# Altium PCB PD300.PCBDOC
Units mm, origin at the board's own origin, x right, y up, seen from the top; angles counter-clockwise.
Board outline 30.2 x 64.4 mm, 2 copper layers (Top Layer, Bottom Layer); 82 components, 77 nets, 257 pads, 75 vias.
Unrouted connection lines stored in the file: 3.
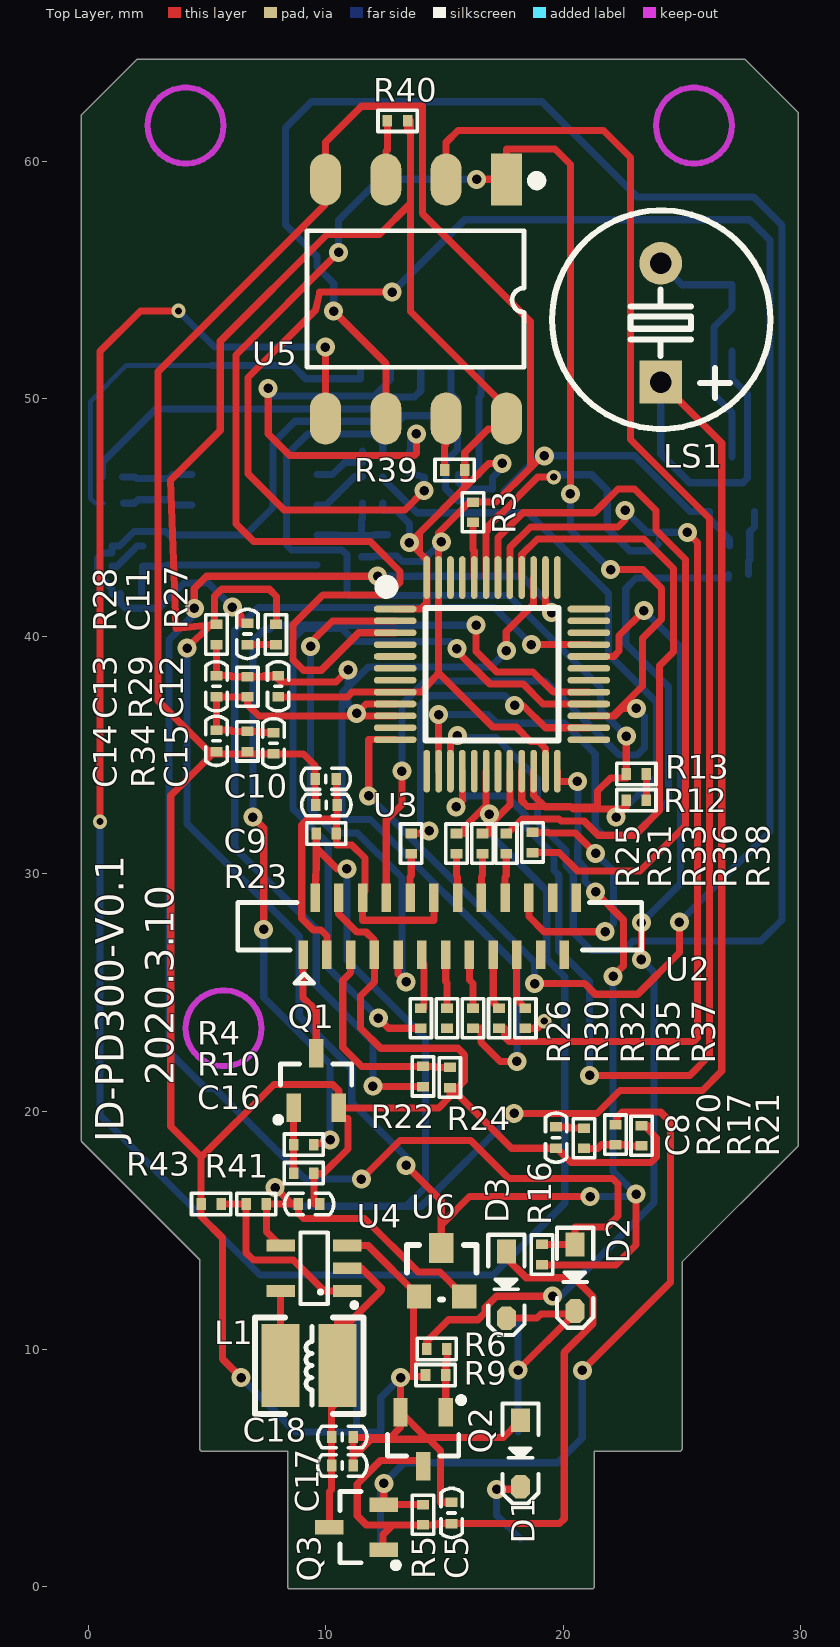
[diagram p0: Top Layer view]
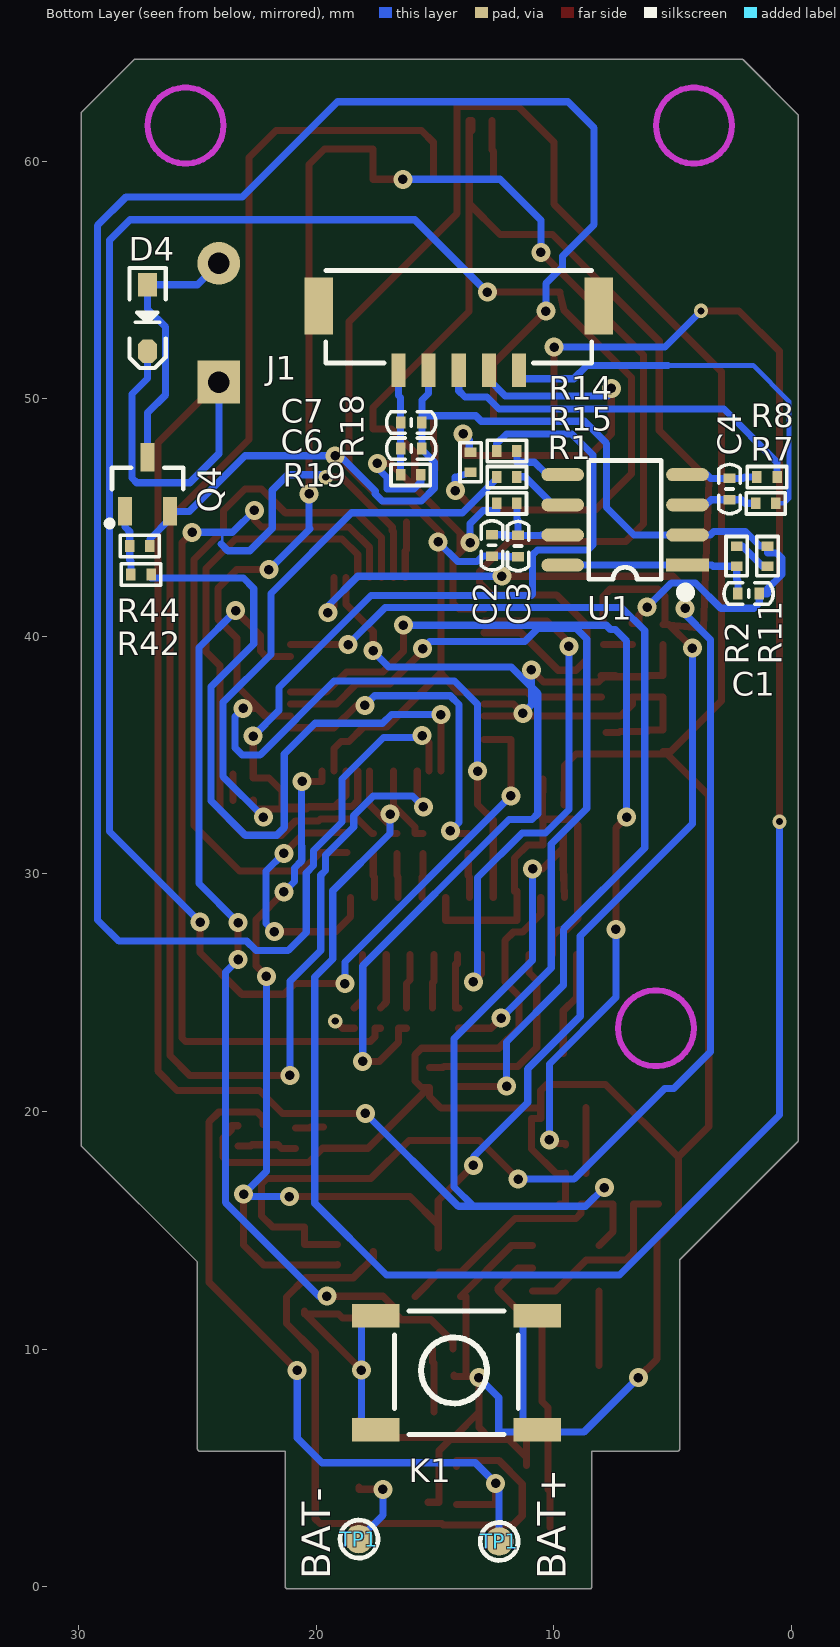
[diagram p1: Bottom Layer view, seen from below]
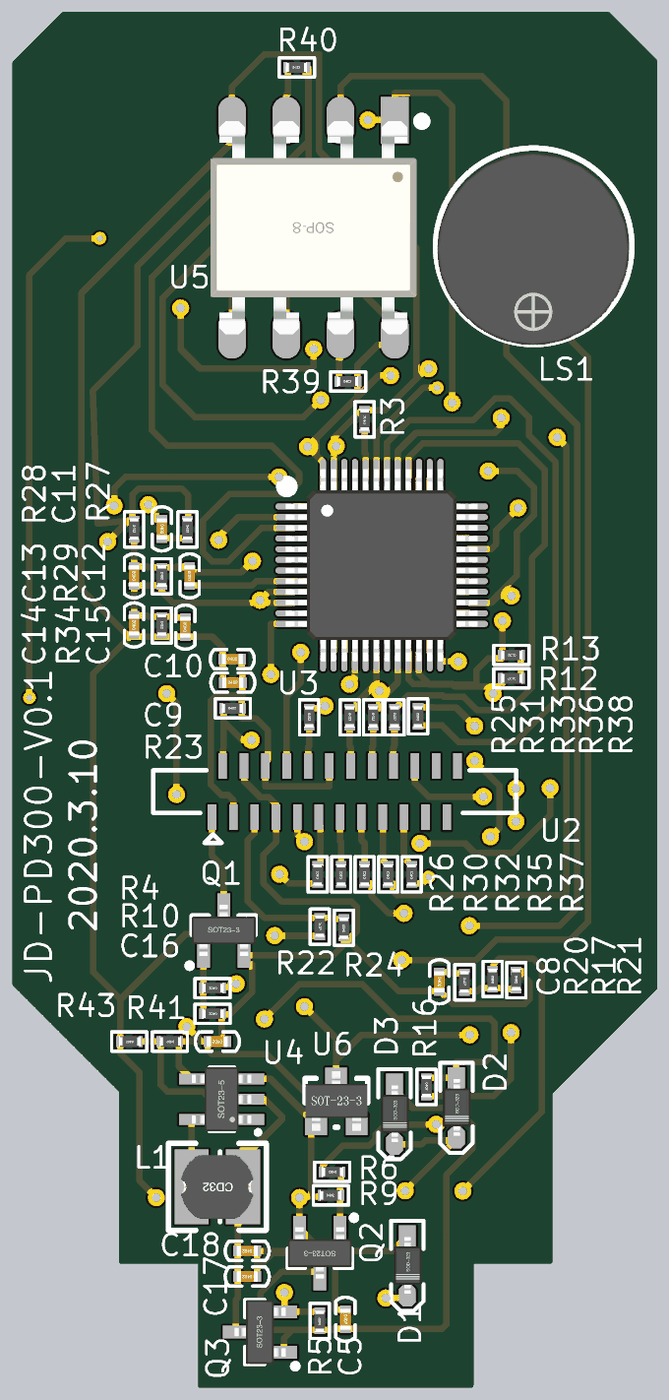
[diagram p2: 3D render of the assembled board from above, using the file's embedded part models]
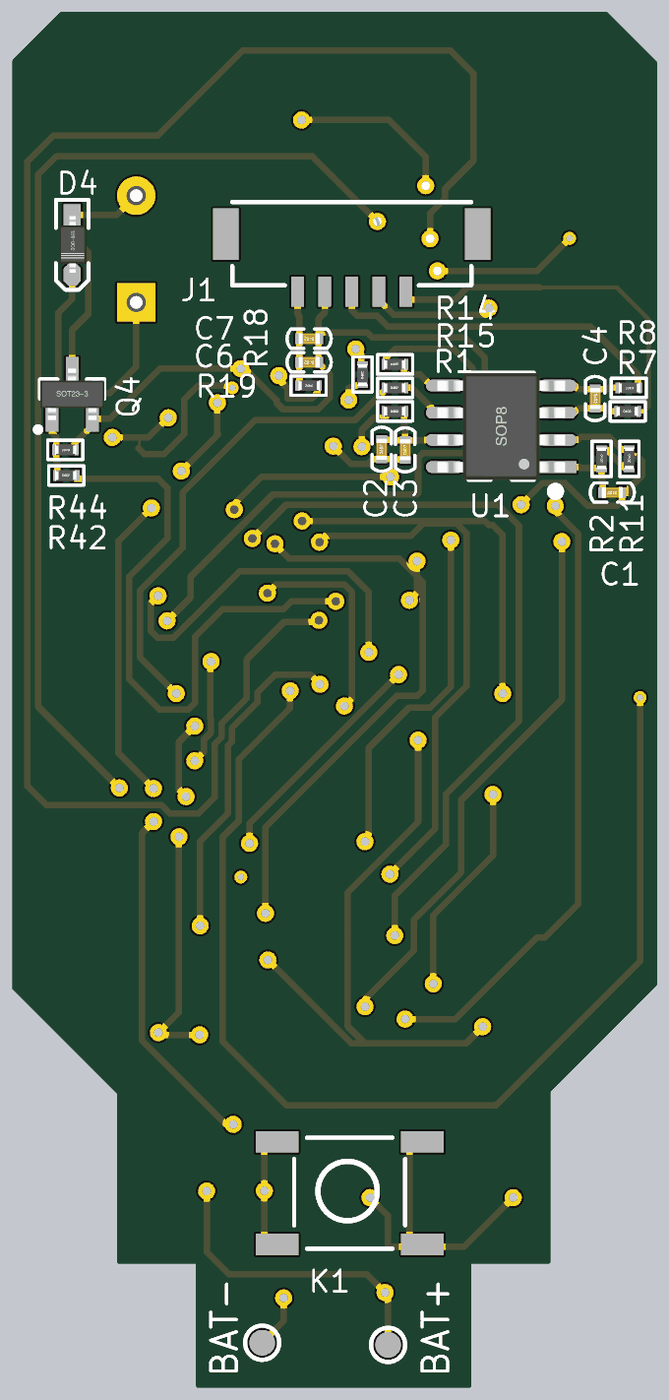
[diagram p3: 3D render of the assembled board from below, using the file's embedded part models]

## Layer stack, top to bottom
Top Solder: solder mask 0.0102, Solder Resist, Dk 3.5
Top Layer: signal copper 0.0356
Dielectric1: dielectric 0.32, FR-4, Dk 4.8
Bottom Layer: signal copper 0.0356
Bottom Solder: solder mask 0.0102, Solder Resist, Dk 3.5

## Board outline
4.7,5.8 ccw(c4.8,5.8) 4.8,5.7 8.4,5.7 8.4,0 ccw(c8.5,0) 8.5,-0.1 21.1,-0.1 ccw(c21.1,0) 21.15,-0.087 ccw(c21.2,0) 21.3,0 21.3,5.7 24.9,5.7 ccw(c24.9,5.8) 25,5.8 25,13.658 29.871,18.529 ccw(c29.8,18.6) 29.9,18.6 29.9,62 ccw(c29.8,62) 29.871,62.071 27.671,64.271 ccw(c27.6,64.2) 27.6,64.3 2.1,64.3 ccw(c2.1,64.2) 2.029,64.271 -0.271,61.971 ccw(c-0.2,61.9) -0.3,61.9 -0.3,18.8 ccw(c-0.2,18.8) -0.271,18.729 4.7,13.758

## Design rules (kind name [scope] priority, off if disabled: settings)
Clearance Polygon [InPolygon] p1: gap=0.5
Clearance [All] p2: gap=0.2
ComponentClearance [All] p1 off: gap=0.254 collisioncheckmode=3 verticalgap=0.254 showdistances=FALSE
FabricationTestPointUsage TestPointUsage [All] p1: valid=0 allowmultiple=FALSE
FabricationTestpoint Testpoint [(IsPad And (OnTopLayer Or OnBottomLayer))] p1: side=3 testpointundercomponent=TRUE minsize=1.016 maxsize=2.54 preferedsize=1.524 minholesize=0 maxholesize=1.016 preferedholesize=0.813 testpointgrid=0.025 allowsidetop=TRUE allowsidebottom=TRUE usegrid=TRUE gridtolerance=0
Height [All] p1 off: minheight=0 maxheight=25.4 prefheight=12.7
HoleSize [All] p1: absolutevalues=TRUE maxlimit=25.4 minlimit=0.025 maxpercent=80.000 minpercent=20.000
PolygonConnect Via [IsVia] p1: connectstyle=Direct reliefconductorwidth=0.254 reliefentries=4 polygonreliefangle="90 Angle" airgapwidth=0.254
PolygonConnect PolygonConnect_1 [All] p2: connectstyle=Relief reliefconductorwidth=0.254 reliefentries=4 polygonreliefangle="90 Angle" airgapwidth=0.254
RoutingVias [All] p1: holewidth=0.4 width=0.8 viastyle="Through Hole" minholewidth=0.4 minwidth=0.8 maxholewidth=0.8 maxwidth=1.27
SolderMaskExpansion [All] p1: expansion=0.102
UnpouredPolygon [All] p1: allowunpoured=FALSE
Width [All] p1: maxlimit=5.08 minlimit=0.2 preferedwidth=0.3 minimp=50.000000 maximp=50.000000 favimp=50.000000
24 further rules are at their usual default settings.

## Components (designator, comment, footprint, x,y, rotation, side; value= is the part's Value field where it differs from the comment)
C1 "105" "C 0603_L" 1.8,41.8 r0 bottom
C2 "104" "C 0603_L" 12.603,43.826 r90 bottom
C3 "4.7uF" "C 0603_L" 11.5,43.8 r90 bottom
C4 "105" "C 0603_L" 2.6,46.2 r270 bottom
C5 "4.7uF" "C 0603_L" 15.3,3.1 r270 top
C6 "104" "C 0603_L" 16,47.9 r0 bottom
C7 "4.7uF" "C 0603_L" 16,49 r0 bottom
C8 "104" "C 0603_L" 19.7,18.9 r270 top
C9 "104" "C 0603_L" 10.025,32.903 r0 top
C10 "105" "C 0603_L" 10,34 r0 top
C11 "104" "C 0603_L" 6.7,40.1 r270 top
C12 "104" "C 0603_L" 8,37.9 r90 top
C13 "104" "C 0603_L" 5.4,37.9 r90 top
C14 "4.7uF" "C 0603_L" 5.4,35.6 r90 top
C15 "104" "C 0603_L" 7.8,35.5 r90 top
C16 "4.7uF" "C 0603_L" 9.3,16.1 r180 top
C17 "4.7uF" "C 0603_L" 10.7,5.1 r180 top
C18 "104" "C 0603_L" 10.7,6.3 r180 top
D1 "1N4148" SOD-323 18.2,5.6 r270 top
D2 "1N4148" SOD-323 20.5,13 r270 top
D3 "1N4148" SOD-323 17.6,12.7 r270 top
D4 "1N4148" SOD-323 27.1,53.4 r270 bottom
J1 "Header1.27-5p" Header1.27SMD-5P 14,51.2 r180 bottom
K1 "KeySmd5.2*5.2" KeySmd5.2*5.2 14.1,9 r180 bottom
L1 "1.5uH" CD32 9.3,9.3 r180 top
LS1 "DC3.3V" "BEEP 5x9x5.5" 24.1,53.2 r0 top
Q1 "SI2302" SOT23-3N 9.6,21.3 r0 top
Q2 "SS8050" SOT23-3N 14.1,6.2 r180 top
Q3 "SI2301" SOT23-3N 11.3,2.5 r90 top
Q4 "SS8050" SOT23-3N 27.1,46.4 r180 bottom
R1 "10R" "R 0603_L" 12,45.6 r180 bottom
R2 "130K" "R 0603_L" 2.3,43.4 r270 bottom
R3 "10K" "R 0603_L" 16.2,45.2 r90 top
R4 "10K" "R 0603_L" 9.1,18.6 r180 top
R5 "100K" "R 0603_L" 14.1,3 r90 top
R6 "10K" "R 0603_L" 14.7,10 r180 top
R7 "1R" "R 0603_L" 1.1,45.6 r180 bottom
R8 "1R" "R 0603_L" 1,46.7 r0 bottom
R9 "100K" "R 0603_L" 14.6,8.9 r0 top
R10 "100K" "R 0603_L" 9.1,17.4 r180 top
R11 "Bead" "R 0603_L" 1,43.4 r270 bottom
R12 "2K" "R 0603_L" 23.1,33.1 r180 top
R13 "2K" "R 0603_L" 23.1,34.2 r180 top
R14 "100R" "R 0603_L" 12,47.8 r180 bottom
R15 "100R" "R 0603_L" 12,46.7 r180 bottom
R16 "100K" "R 0603_L" 19.1,14 r270 top
R17 "200K" "R 0603_L" 22.2,19 r90 top
R18 "100R" "R 0603_L" 13.5,47.3 r90 bottom
R19 "10R" "R 0603_L" 16,46.8 r0 bottom
R20 "10K" "R 0603_L" 20.874,18.897 r270 top
R21 "100K" "R 0603_L" 23.3,19 r270 top
R22 "10K" "R 0603_L" 14.1,21.5 r270 top
R23 "3.9R" "R 0603_L" 10,31.7 r0 top
R24 "10K" "R 0603_L" 15.225,21.403 r90 top
R25 "22R" "R 0603_L" 13.6,31.3 r270 top
R26 "22R" "R 0603_L" 14,23.9 r90 top
R27 "10K" "R 0603_L" 7.9,40.1 r270 top
R28 "10R" "R 0603_L" 5.4,40.1 r270 top
R29 "54.7K" "R 0603_L" 6.7,37.9 r270 top
R30 "22R" "R 0603_L" 15.1,23.9 r90 top
R31 "22R" "R 0603_L" 15.5,31.3 r270 top
R32 "22R" "R 0603_L" 16.2,23.9 r90 top
R33 "22R" "R 0603_L" 16.6,31.3 r270 top
R34 "54.7K" "R 0603_L" 6.7,35.6 r270 top
R35 "22R" "R 0603_L" 17.3,23.9 r90 top
R36 "22R" "R 0603_L" 17.6,31.3 r270 top
R37 "22R" "R 0603_L" 18.4,23.9 r90 top
R38 "22R" "R 0603_L" 18.7,31.3 r90 top
R39 "10K" "R 0603_L" 15.4,47 r0 top
R40 "10K" "R 0603_L" 13,61.7 r0 top
R41 "20K" "R 0603_L" 7.1,16.1 r180 top
R42 "4.7K" "R 0603_L" 27.4,42.6 r180 bottom
R43 "10K" "R 0603_L" 5.2,16.1 r180 top
R44 "10K" "R 0603_L" 27.4,43.8 r0 bottom
TP1 "TP1" TP1 18.2,2 r0 bottom
TP1 "TP1" TP1 12.3,1.9 r0 bottom
U1 "CS1237" SOP8_N 7,44.9 r0 bottom
U2 "SSD1331 OLED" FPC1mmSMD-24P 14.8,27.8 r0 top
U3 "STM32F030C8T6" LQFP48-7*7 17,38.4 r270 top
U4 "SY7069" SOT23-5N 9.5,13.4 r90 top
U5 "W25Q16" SOP8-W2.54_N 13.8,54.2 r270 top
U6 "XC6206" SOT-23 13.8,12.2 r0 top

## Footprints (in the part's own frame and the unit in brackets; to place one, negate y for a bottom-side part, rotate by r counter-clockwise, add the part's x,y. Pads: shape width x height; smd on the part's side, far side on the other; paste and mask are expansions set on the pad)
"BEEP 5x9x5.5" [mm] "5*9*5.5mm(脚距,直径,高度)"
  rect 1.8x1.8 hole 0.9: 1(0,-2.5)
  round 1.8 hole 0.9: 2(0,2.5)
  silkscreen extent -4.58,-4.47 4.62,4.72, body extent -4.5,-4.5 4.5,4.5, height 5.45
"C 0603_L" [mm] "无极性贴片电容"
  rect 0.4x0.5 smd: 1(-0.45,0) 2(0.45,0)
  silkscreen extent -1.04,-0.45 1.04,0.45, body extent -0.5,-0.26 0.5,0.26, height 0.53
CD32 [mm] "3.5*3*2mm（长宽高）"
  rect 1.6x3.5 smd: 1(-1.2,0) 2(1.2,0)
  silkscreen extent -2.29,-2.03 2.29,2.03, body extent -1.71,-1.5 1.71,1.5, height 2.15
FPC1mmSMD-24P [mm]
  rect 0.4x1.2 smd: 1(-5.75,-1.2) 2(-5.25,1.2) 3(-4.75,-1.2) 4(-4.25,1.2) 5(-3.75,-1.2) 6(-3.25,1.2) 7(-2.75,-1.2) 8(-2.25,1.2) 9(-1.75,-1.2) 10(-1.25,1.2) 11(-0.75,-1.2) 12(-0.25,1.2) 13(0.25,-1.2) 14(0.75,1.2) 15(1.25,-1.2) 16(1.75,1.2) 17(2.25,-1.2) 18(2.75,1.2) 19(3.25,-1.2) 20(3.75,1.2) 21(4.25,-1.2) 22(4.75,1.2) 23(5.25,-1.2) 24(5.75,1.2)
  silkscreen extent -8.5,-2.4 8.5,1
Header1.27SMD-5P [mm]
  rect 0.6x1.4 smd: 1(-2.54,0) 2(-1.27,0) 3(0,0) 4(1.27,0) 5(2.54,0)
  rect 1.2x2.4 smd: 6(-5.9,2.7) 7(5.9,2.7)
  silkscreen extent -5.6,0.3 5.6,4.2
KeySmd5.2*5.2 [mm]
  rect 2x1 smd: 1(-3.4,2.4) 2(3.4,2.4) 3(3.4,-2.4) 4(-3.4,-2.4)
  silkscreen extent -2.6,-2.6 2.6,2.6
LQFP48-7*7 [mm] "7x7mm，0.5mm        淘宝ID:黄晶宝石"
  oval 0.279x1.8 smd: 1(-2.75,-4.075) 2(-2.25,-4.075) 3(-1.75,-4.075) 4(-1.25,-4.075) 5(-0.75,-4.075) 6(-0.25,-4.075) 7(0.25,-4.075) 8(0.75,-4.075) 9(1.25,-4.075) 10(1.75,-4.075) 11(2.25,-4.075) 12(2.75,-4.075) 25(2.75,4.075) 26(2.25,4.075) 27(1.75,4.075) 28(1.25,4.075) 29(0.75,4.075) 30(0.25,4.075) 31(-0.25,4.075) 32(-0.75,4.075) 33(-1.25,4.075) 34(-1.75,4.075) 35(-2.25,4.075) 36(-2.75,4.075)
  oval 1.8x0.279 smd: 13(4.075,-2.75) 14(4.075,-2.25) 15(4.075,-1.75) 16(4.075,-1.25) 17(4.075,-0.75) 18(4.075,-0.25) 19(4.075,0.25) 20(4.075,0.75) 21(4.075,1.25) 22(4.075,1.75) 23(4.075,2.25) 24(4.075,2.75) 37(-4.075,2.75) 38(-4.075,2.25) 39(-4.075,1.75) 40(-4.075,1.25) 41(-4.075,0.75) 42(-4.075,0.25) 43(-4.075,-0.25) 44(-4.075,-0.75) 45(-4.075,-1.25) 46(-4.075,-1.75) 47(-4.075,-2.25) 48(-4.075,-2.75)
  silkscreen extent -3.93,-4.69 2.79,2.79, body extent -4.5,-4.5 4.5,4.5, height 1.45
"R 0603_L" [mm] "1/10W贴片电阻"
  rect 0.4x0.5 smd: 1(-0.4,0) 2(0.45,0)
  silkscreen extent -0.8,-0.45 0.85,0.45, body extent -0.5,-0.25 0.5,0.25, height 0.3
SOD-323 [mm] "1.8x1.3X0.9mm（长宽高，不包括引脚）"
  rect 1x0.8 smd: 1(-1.4,0)
  oct 1x0.8 smd: 2(1.4,0)
  silkscreen extent -2.11,-0.76 2.11,0.76, body extent -1.34,-0.63 1.31,0.67, height 1
SOP8-W2.54_N [mm] "6.5*9.66*3.5mm（长宽高）  淘宝ID:黄晶宝石"
  rect 2.2x1.3 smd: 1(-5.029,3.81)
  oval 2.2x1.3 smd: 2(-5.029,1.27) 3(-5.029,-1.27) 4(-5.029,-3.81) 5(5.029,-3.81) 6(5.029,-1.27) 7(5.029,1.27) 8(5.029,3.81)
  silkscreen extent -5.13,-4.59 2.87,5.23, body extent -5,-4.83 5,4.83, height 3.82
SOP8_N [mm] "5*6*1.8mm（长宽高）"
  rect 1.8x0.55 smd: 1(-2.625,1.905)
  oval 1.8x0.55 smd: 2(-2.625,0.635) 3(-2.625,-0.635) 4(-2.625,-1.905) 5(2.625,-1.905) 6(2.625,-0.635) 7(2.625,0.635) 8(2.625,1.905)
  silkscreen extent -2.69,-2.5 1.52,3.2, body extent -3,-2.5 3,2.5, height 1.9
SOT23-3N [mm] "3x1.3x1mm(长宽高)     淘宝ID:黄晶宝石"
  rect 0.6x1.2 smd: 1(-0.95,-1.143) 2(0.95,-1.143) 3(0,1.143)
  silkscreen extent -1.72,-1.78 1.5,0.7, body extent -1.5,-1.2 1.5,1.2, height 1.05
SOT23-5N [mm] "3x1.6x1.1mm(长宽高)"
  rect 0.5x1.2 smd: 1(-0.95,-1.4) 2(0,-1.4) 3(0.95,-1.4) 4(0.95,1.4) 5(-0.95,1.4)
  silkscreen extent -1.63,-1.78 1.5,0.56, body extent -1.5,-1.4 1.5,1.4, height 1.15
SOT-23 [mil] "淘宝ID:黄晶宝石"
  rect 40x40 smd: 1(4.88,0.63) 2(79.88,0.63)
  rect 40x50 smd: 3(41.88,80.63)
  silkscreen extent -15,-4 100,86, body extent -15,-11 99,99, height 47
TP1 [mm]
  round 1.2 smd: 1(0,0)
  silkscreen extent -0.8,-0.8 0.8,0.8

## Part data
C1 C2 C3 C4 C5 C6 C7 C8 C9 C10 C11 C12 C13 C14 C15 C16 C17 C18: library part C0603, "无极性贴片电容"
D1 D2 D3 D4: "高速开关二极管"
L1: library part L, "小功率贴片电感"
LS1: library part BEEP, "蜂鸣器"
Q1: "N沟道场效应管"
Q2 Q4: library part 8050-SMD, "高频放大-NPN型"
Q3: "P沟道场效应管"
R1 R2 R3 R4 R5 R6 R7 R8 R9 R10 R11 R12 R13 R14 R15 R16 R17 R18 R19 R20 R21 R22 R23 R24 R25 R26 R27 R28 R29 R30 R31 R32 R33 R34 R35 R36 R37 R38 R39 R40 R41 R42 R43 R44: library part R0603, "贴片电阻"
U2: library part SSD1331

## Via types
v1: diameter 0.8, hole 0.4, Top Layer to Bottom Layer, 71 vias
v2: diameter 0.6, hole 0.3, Top Layer to Bottom Layer, 4 vias

## Nets (pads, with @x,y where several pads share a name; then routed paths per layer and width w, separated by ;. In a path a pad name is that pad's centre, name@x,y a point inside that pad or via, vN(x,y) a via of type N, cw(c..) or ccw(c..) an arc to the next point about the centre after c; other vN are vias at no path point)
BAT+: Q3.2 R5.2 R17.2 TP1.1@12.3,1.9 | length 32
  Top Layer w0.3: v1(12.444,4.349) Q3.2 13.256,3.45 R5.2 ; v1(20.8,9.099) 24.509,12.807 24.509,19.564 24.102,19.97 22.477,19.97 22.248,19.742 22.248,19.45 R17.2
  Bottom Layer w0.3: TP1.1@12.3,1.9 12.3,4.349 v1(12.444,4.349) 13.307,5.213 19.759,5.213 20.8,6.254 v1(20.8,9.099)
BAT+1: C17.2 C18.2 L1.1 Q3.3 U4.2 | length 13
  Top Layer w0.3: Q3.3 10.157,4 10.25,4.093 C17.2 C18.2 10.25,7.54 10.5,7.79 L1.1 10.5,11.131 10.996,11.131 12.342,12.477 12.342,12.562 11.504,13.4 U4.2
BAT-: D1.2 TP1.1@18.2,2 | length 3.6
  Top Layer w0.3: v1(17.193,4.095) 18.2,4.095 D1.2
  Bottom Layer w0.3: v1(17.193,4.095) 17.193,3.007 TP1.1@18.2,2
BAT_DET: C8.1 R20.1 | length 1.2
  Top Layer w0.3: C8.1 20.241,19.35 20.294,19.297 R20.1
BOOT0: R3.1 U3.44 | length 2.3
  Top Layer w0.3: R3.1 16.2,43.642 16.25,43.592 U3.44
BUZZER: R42.2 U3.14 | length 30.9
  Top Layer w0.3: U3.14 v1(14.75,36.708)
  Bottom Layer w0.3: v1(14.75,36.708) 16.837,36.708 17.205,36.34 20.053,36.34 21.347,35.046 21.347,31.946 21.664,31.629 22.985,31.629 24.432,33.077 24.432,37.877 22.629,39.681 22.629,42.017 23.061,42.449 26.95,42.449 R42.2
CS: U2.8 U3.3 U3.27 U5.1 | length 97.5
  Top Layer w0.3: v1(10.539,56.165) 6.221,51.847 6.221,44.735 6.957,43.999 11.859,43.999 13.129,42.729 13.129,42.271 12.596,41.738 9.878,41.738 8.615,40.475 8.615,39.024 9.065,38.574 9.813,38.574 11.389,40.15 U3.3 ; U2.8 12.55,32.269 13.206,32.924 v1(13.206,34.321) ; v1(16.355,59.239) U5.1@17.61,59.239 ; U5.1 U5.1@17.61,59.239 ; v1(20.3,46) 20.3,59.866 19.657,60.509 17.61,60.509 U5.1@17.61,59.239 ; U3.27 22.07,36.65 ; v1(21.989,42.805) 23.354,42.805 24.141,42.017 24.141,40.734 23.328,39.921 23.328,37.908 22.07,36.65 ; v1(23.078,36.963) 22.485,36.963 22.172,36.65 22.07,36.65
  Bottom Layer w0.3: v1(10.539,56.165) 10.539,57.511 12.266,59.239 v1(16.355,59.239) ; v1(13.206,34.321) 13.206,37.141 14.183,38.118 19.248,38.118 22.359,35.007 23.112,35.007 23.416,35.312 23.416,36.625 v1(23.078,36.963) ; v1(20.3,46) 20.3,44.56 20.267,44.527 v1(21.989,42.805)
D0: R30.1 U3.19
D1: R31.1 U3.18 | length 3.3
  Top Layer w0.3: R31.1 15.847,31.7 15.847,31.971 16.75,32.873 U3.18
D2: R32.1 U3.39 | length 33.1
  Top Layer w0.3: R32.1 16.533,23.5 16.533,22.917 17.346,22.104 v1(18.044,22.104) ; v1(17.6,39.4) 17.6,40.202 18.75,41.352 U3.39
  Bottom Layer w0.3: v1(17.6,39.4) 17.6,39.364 16.947,38.711 11.788,38.711 10.678,37.601 10.678,32.533 10.92,32.29 11.884,32.29 18.044,26.13 v1(18.044,22.104)
D3: R33.1 U3.20 | length 3.3
  Top Layer w0.3: R33.1 16.889,31.7 16.889,32.041 17.75,32.902 U3.20
D4: R35.1 U3.41 | length 40.3
  Top Layer w0.3: R35.1 17.531,23.5 17.531,23.145 17.727,22.95 25.507,22.95 25.652,23.094 25.652,43.948 v1(25.22,44.38) ; U3.41 17.75,43.734 18.616,44.6 22.3,44.6 22.6,44.9 v1(22.6,45.3)
  Bottom Layer w0.3: v1(22.6,45.3) 23.52,44.38 v1(25.22,44.38)
D5: R36.1 U3.40 | length 26
  Top Layer w0.3: R36.1 17.651,31.7 18.265,32.315 19.824,32.315 19.906,32.233 20.86,32.233 21.469,31.624 23.005,31.624 24.051,32.67 24.051,38.763 24.641,39.353 24.641,42.859 23.4,44.1 18.91,44.1 18.25,43.44 U3.40
D6: R37.1 U3.43 | length 13.6
  Top Layer w0.3: U3.43 16.75,44.405 16.8,44.455 16.8,44.6 17.35,45.15 17.375,45.15 18.925,46.7 v2(19.6,46.7) ; R37.1 18.9,23.5 v2(19.2,23.8)
  Bottom Layer w0.3: v2(19.6,46.7) 19.7,46.8 21.2,46.8 21.85,46.15 21.85,44.55 22.8,43.6 23.72,43.6 24,43.88
D7: R38.1 U3.42 | length 30.9
  Top Layer w0.3: U3.42 17.25,44.15 18.3,45.2 21.3,45.2 22.3,46.2 23,46.2 23.9,45.3 23.9,44.475 25.141,43.234 25.141,32.033 23.225,30.117 20.609,30.117 19.826,30.9 R38.1
DC: R25.1 U3.26 | length 14.1
  Top Layer w0.3: R25.1 14.242,31.7 v1(14.349,31.807) ; v1(17.955,37.09) 18.31,37.09 19.25,36.15 U3.26
  Bottom Layer w0.3: v1(14.349,31.807) 13.993,32.162 13.993,37.129 14.361,37.496 17.549,37.496 v1(17.955,37.09)
DI: U5.5 | length 87.4
  Top Layer w0.3: v2(0.5,32.2) 0.5,52 2.2,53.7 v2(3.8,53.7) v2@3.9,53.7 ; U5.5 v1(9.99,52.177)
  Bottom Layer w0.3: v2(0.5,32.2) 0.5,19.849 7.237,13.112 17.041,13.112 20.064,16.135 20.064,25.66 19.302,26.422 19.302,29.292 16.889,31.705 v1(16.889,32.518) ; v2(3.8,53.7) 5.323,52.177 v1(9.99,52.177)
DO: U3.16 U5.2 | length 71.7
  Top Layer w0.3: U5.2 15.07,60.798 15.568,61.296 21.689,61.296 22.832,60.153 22.832,48.291 26.16,44.964 26.16,22.358 25.321,21.52 v1(21.105,21.52) ; v1(15.492,32.823) 15.75,33.081 U3.16
  Bottom Layer w0.3: v1(15.492,32.823) 15.949,33.28 17.6,33.28 18.421,32.459 18.421,31.972 19.609,30.784 19.609,30.142 19.81,29.941 19.81,26.777 21.105,25.482 v1(21.105,21.52)
GND: C1.1 C2.1 C3.1 C5.1 C6.1 C7.1 C8.2 C9.1 C10.1 C11.1 C12.1 C14.1 C15.1 C16.1 C17.1 C18.1 D1.1 J1.2 K1.2 K1.3 Q1.2 Q2.2 Q4.2 R3.2 R9.1 R10.1 R11.1 R21.1 R24.1 R34.2 R43.2 R44.1 U1.2 U2.4 U2.7 U3.8 U3.23 U3.47 U4.3 U5.4 U6.1 | length 249.4
  Top Layer w0.3: C14.1 5.078,35.15 2.939,37.289 2.939,51.139 9.99,58.19 U5.4 9.99,60.798 11.504,62.312 14.07,62.312 14.07,57.79 18.616,53.244 18.616,47.097 ; v1(6.068,41.23) 6.424,40.874 6.424,40.55 C11.1 ; v1(6.441,8.794) 5.662,9.573 5.662,14.662 4.75,15.573 R43.2 4.75,18.068 4.761,18.079 ; C12.1 10.915,37.45 11.115,37.65 U3.8 14.04,37.65 14.75,38.47 ; R10.1 R10.1@9.5,17.379 ; C9.1 9.576,33.432 9.55,33.458 C10.1 9.55,34.565 9.065,35.05 C15.1 5.228,35.05 3.477,33.299 3.477,19.363 4.761,18.079 ; C16.1 9.5,16.1 R10.1@9.5,17.379 ; U2.4 10.55,28.307 11.311,27.546 11.707,27.546 12.05,27.203 U2.7 12.05,25.447 11.465,24.862 11.465,23.514 12.317,22.663 15.568,22.663 15.847,22.383 15.847,21.282 15.568,21.003 R24.1@15.263,21.003 ; U4.3 11.79,14.35 U6.1 13.688,12.216 13.688,8.845 ; C17.1 11.15,5.443 ; C18.1 C18.1@11.15,6.28 ; R9.1 14.2,8.845 13.688,8.845 ; v1(14.87,43.973) v1@14.75,43.853 ; R24.1 R24.1@15.238,21.003 ; C5.1 14.831,3.55 14.831,5.721 14.349,6.203 11.91,6.203 11.15,5.443 ; D1.1 17.48,6.28 14.213,6.28 Q2.2 ; v1(19.2,47.6) 19.118,47.6 18.616,47.097 ; U3.23 19.25,35.277 18.953,35.575 18.625,35.575 18.024,36.176 17.044,36.176 14.75,38.47 ; R21.1 23.559,19.4 23.559,19.246 23.924,18.881 23.924,18.085 23.696,17.856 20.327,17.856 19.733,18.45 C8.2 17.816,18.45 R24.1@15.263,21.003 ; 4.761,18.079 7.821,21.139 10.296,21.139 10.55,20.885 Q1.2 Q1.2@10.55,20.148 ; R10.1@9.5,17.379 9.89,17.379 10.933,18.423 10.933,19.707 10.55,19.707 Q1.2@10.55,20.148 ; Q1.2@10.55,20.148 14.755,20.148 15.238,20.631 R24.1@15.238,21.003 ; 11.15,5.443 C18.1@11.15,6.28 ; C18.1@11.15,6.28 12.723,6.28 13.15,6.707 Q2.2 ; Q2.2 v1(13.15,8.794) 13.201,8.845 13.688,8.845 ; 14.75,38.47 U3.47 v1@14.75,43.853 ; v1@14.75,43.853 14.75,44.349 16.051,45.65 R3.2 17.168,45.65 18.616,47.097 ; R24.1@15.238,21.003 R24.1@15.263,21.003
  Bottom Layer w0.3: C1.1 C1.1@1.35,41.789 ; v1(6.068,41.23) 5.052,42.246 4.036,42.246 2.969,41.179 1.579,41.179 1.35,41.408 C1.1@1.35,41.789 ; v1(6.441,8.794) 8.735,6.5 K1.3@11.301,6.5 ; K1.2@11.301,11.3 K1.3@11.301,6.5 ; C3.1 12.037,43.35 12.063,43.376 C2.1 12.993,43.376 13.225,43.143 14.04,43.143 v1(14.87,43.973) ; v1(13.15,8.794) 12.317,7.961 12.317,6.5 K1.3@11.301,6.5 ; J1.2 15.27,50.222 15.55,49.942 15.55,49.282 ; R44.1 27,44.1 26.15,44.95 Q4.2 25.343,45.257 23,47.6 v1(19.2,47.6) 19,47.6 17.516,46.116 17.516,45.993 17.223,45.7 15.568,45.7 15.034,46.233 15.034,47.344 15.55,47.859 C6.1 C7.1 15.55,49.282 ; C1.1@1.35,41.789 1,41.789 1,42.005 0.4,42.605 0.4,43.295 0.605,43.5 1,43.5 R11.1 1.318,43.8 1.928,44.41 3.269,44.41 3.414,44.265 U1.2 6.627,44.265 7.78,45.418 7.78,48.124 8.71,49.053 13.053,49.053 13.282,49.282 15.55,49.282
KEY1: U3.35
KEY2: U3.36
KEY3: R22.2 U3.33 | length 39.7
  Top Layer w0.3: v1(11.986,21.062) 11.999,21.05 R22.2 ; v1(18.66,39.65) U3.33
  Bottom Layer w0.3: v1(11.986,21.062) 11.986,22.923 9.599,25.311 9.599,27.666 6.17,31.095 6.17,40.239 7.148,41.218 17.092,41.218 v1(18.66,39.65)
MOS_CTL: R4.1 U3.29 | length 39.4
  Top Layer w0.3: v1(6.932,32.391) 7.389,31.934 v1(7.389,27.666) ; R4.1 9.5,18.649 10.031,18.649 v1(10.183,18.802) ; v1(16.33,40.468) 16.33,39.37 17.2,38.5 18.731,38.5 19.581,37.65 U3.29
  Bottom Layer w0.3: v1(6.932,32.391) 6.932,39.808 7.404,40.28 7.6,40.28 7.788,40.468 v1(16.33,40.468) ; v1(7.389,27.666) 7.389,24.796 10.183,22.002 v1(10.183,18.802)
NetC1_2: C1.2 R2.2 U1.1 U1.8 | length 8.5
  Bottom Layer w0.3: C1.2 2.25,42.348 2.3,42.398 R2.2 3.3,42.95 3.345,42.995 U1.1 U1.8
NetC2_2: C2.2 C3.2 R1.2 U1.7 | length 4.4
  Bottom Layer w0.3: U1.7 10.539,44.265 10.554,44.25 C3.2 ; R1.2 11.55,44.938 11.5,44.888 C3.2 ; C2.2 12.063,44.276 12.037,44.25 C3.2
NetC4_1: C4.1 R8.2 U1.4 | length 3
  Bottom Layer w0.3: R8.2 1.979,46.7 2.029,46.65 C4.1 3.401,46.65 3.556,46.805 U1.4
NetC4_2: C4.2 R7.1 U1.3 | length 3
  Bottom Layer w0.3: R7.1 1.953,45.6 2.103,45.75 C4.2 3.376,45.75 3.591,45.535 U1.3
NetC5_2: C5.2 D3.1 Q2.3 Q3.1 R5.1 | length 29.4
  Top Layer w0.3: Q3.1 12.418,1.55 12.418,2.19 12.828,2.6 ; Q2.3 14.1,5.314 12.317,5.314 11.326,4.324 11.326,2.981 11.707,2.6 12.828,2.6 ; D3.1 17.6,13.838 18.438,13 20.445,13 21.257,12.187 21.257,11.08 20.038,9.861 20.038,2.853 19.835,2.65 C5.2 14.703,2.65 14.653,2.6 R5.1 12.828,2.6
NetC6_2: C6.2 C7.2 J1.1 R19.2 | length 4.4
  Bottom Layer w0.3: R19.2 16.45,47.326 C6.2 C7.2 16.45,50.044 16.54,50.134 J1.1
NetC9_2: C9.2 C10.2 R23.2 U2.3 U2.6 U2.12 | length 18.6
  Top Layer w0.3: U2.3 10.05,27.387 9.796,27.641 9.472,27.641 8.989,28.124 8.989,32.061 9.23,32.301 10.475,32.301 ; C10.2 10.45,33.458 10.475,33.432 C9.2 10.475,32.301 ; U2.12 14.55,28.047 11.55,28.047 U2.6 11.55,29.267 11.656,29.267 11.656,30.664 11.097,31.222 10.45,31.222 R23.2 10.45,32.264 10.475,32.289 10.475,32.301
NetD2_2: D2.2 D3.2 K1.1 K1.4 | length 11.3
  Top Layer w0.3: D3.2 18.895,11.3 19.068,11.473 D2.2@20.461,11.473 ; v1(18.1,9.112) D2.2@20.461,11.473 ; D2.2 D2.2@20.5,11.512 ; D2.2@20.461,11.473 D2.2@20.5,11.512 ; D2.2@20.461,11.473 20.5,11.473 D2.2@20.5,11.512
  Bottom Layer w0.3: K1.4@18.1,6.5 18.1,8.896 v1(18.1,9.112) K1.1@18.1,11.3
NetD4_1: D4.1 LS1.2 Q4.3 | length 11.3
  Bottom Layer w0.3: LS1.2 25,54.8 D4.1 27.1,53.778 26.337,53.015 26.337,50.171 27.1,49.408 Q4.3
NetJ1_3: J1.3 R8.1 | length 16.1
  Bottom Layer w0.3: R8.1 0.6,47.326 2.842,49.568 12.302,49.568 12.811,50.076 13.739,50.076 14,50.337 J1.3
NetJ1_4: J1.4 R18.2 | length 16.5
  Top Layer w0.3: v1(7.579,50.438) 7.579,48.52 8.481,47.618 13.726,47.618 13.815,47.707 v1(13.815,48.52)
  Bottom Layer w0.3: v1(7.579,50.438) 7.491,50.349 7.719,50.12 12.044,50.12 12.73,50.806 J1.4 ; R18.2 13.561,47.75 13.561,48.266 v1(13.815,48.52)
NetJ1_5: J1.5 R7.2 | length 17.4
  Bottom Layer w0.2: R7.2 0.3,45.6 0.1,45.8 0.1,49.9 1.6,51.4 5.2,51.4
  Bottom Layer w0.3: 5.2,51.4 8.6,51.4 9.16,50.84 11.46,50.84 J1.5 J1.5@11.46,51.276
NetL1_2: L1.2 U4.5 | length 3.2
  Top Layer w0.3: L1.2 U4.5
NetQ1_1: Q1.1 R4.2 R10.2 | length 2.8
  Top Layer w0.3: R10.2 R4.2 8.65,19.361 Q1.1
NetQ1_3: Q1.3 U2.1 | length 4.4
  Top Layer w0.3: U2.1 9.05,24.787 9.6,24.237 Q1.3
NetQ2_1: Q2.1 R6.1 R9.2 | length 2.7
  Top Layer w0.3: Q2.1 15.05,8.108 R9.2 15.05,9.404 15.1,9.454 R6.1
NetQ4_1: Q4.1 R42.1 R44.2 | length 2.8
  Bottom Layer w0.3: R42.1 27.8,43.16 27.85,43.21 R44.2 27.85,44.405 28.05,44.605 Q4.1
NetR2_1: R2.1 R11.2 | length 1.7
  Bottom Layer w0.3: R11.2 1.217,42.95 2.067,43.8 R2.1
NetR14_2: R14.2 U1.5 | length 2.6
  Bottom Layer w0.3: U1.5 10.285,46.805 10.806,47.326 11.55,47.326 R14.2
NetR15_2: R15.2 U1.6 | length 2.4
  Bottom Layer w0.3: U1.6 10.031,45.535 11.212,46.716 11.55,46.716 R15.2
NetR17_1: R17.1 R20.2 R21.2 | length 2.5
  Top Layer w0.3: R20.2 21.461,18.447 21.613,18.6 R17.1 22.705,18.6 22.755,18.55 R21.2
NetR22_1: R22.1 R24.2 U2.5 | length 8.9
  Top Layer w0.3: U2.5 11.05,25.853 10.715,25.518 10.715,22.689 11.504,21.9 R22.1 14.628,21.9 14.675,21.853 R24.2
NetR25_2: R25.2 U2.10 | length 1.9
  Top Layer w0.3: U2.10 13.55,29.876 13.6,29.926 R25.2
NetR26_2: R26.2 U2.11 | length 2.5
  Top Layer w0.3: R26.2 14.133,24.35 14.133,26.207 14.05,26.207 U2.11
NetR30_2: R30.2 U2.13 | length 2.3
  Top Layer w0.3: U2.13 15.05,25.481 15.1,25.431 R30.2
NetR31_2: R31.2 U2.14 | length 1.9
  Top Layer w0.3: R31.2 15.5,29.926 15.55,29.876 U2.14
NetR32_2: R32.2 U2.15 | length 2.3
  Top Layer w0.3: U2.15 16.05,25.531 16.2,25.38 R32.2
NetR33_2: R33.2 U2.16 | length 1.9
  Top Layer w0.3: U2.16 16.55,29.876 16.6,29.926 R33.2
NetR35_2: R35.2 U2.17 | length 2.4
  Top Layer w0.3: U2.17 17.05,24.6 R35.2
NetR36_2: R36.2 U2.18 | length 1.9
  Top Layer w0.3: U2.18 17.55,29.876 17.6,29.926 R36.2
NetR37_2: R37.2 U2.19 | length 2.4
  Top Layer w0.3: U2.19 18.05,26.245 18.038,26.245 18.038,24.712 R37.2
NetR38_2: R38.2 U2.20 | length 11.1
  Top Layer w0.3: U2.20 18.55,28.2 19.185,27.565 v1(21.765,27.565) ; R38.2 19.389,31.75 19.414,31.725 20.501,31.725 v1(21.359,30.867)
  Bottom Layer w0.3: v1(21.359,30.867) 22.109,30.117 22.109,27.908 v1(21.765,27.565)
NetR39_1: R39.1 U5.7 | length 2.2
  Top Layer w0.3: R39.1 15,48.037 15.07,48.107 U5.7
NetR40_1: R40.1 U5.3 | length 2.5
  Top Layer w0.3: U5.3 12.53,60.407 12.6,60.477 R40.1
NetR41_2: R41.2 R43.1 U4.1 | length 8
  Top Layer w0.3: R43.1 R41.2 6.65,14.054 6.957,13.747 8.632,13.747 9.929,12.45 U4.1
NRST: C11.2 R27.2 U3.7 | length 1.2
  Top Layer w0.3: C11.2 7.287,39.65 R27.2
PA2: R18.1 U3.12 | length 91.9
  Top Layer w0.3: v1(11.809,33.28) 11.809,35.65 U3.12 ; v1(12.799,54.486) 9.749,54.486 9.566,53.726 6.729,50.889 6.729,46.843 8.253,45.319 13.333,45.319 v1(14.145,46.132) ; v1(18.794,25.38) 20.9,25.38 21.346,24.935 23.131,24.935 24.89,26.694 v1(24.89,27.971)
  Bottom Layer w0.3: v1(11.809,33.28) 18.794,26.295 v1(18.794,25.38) ; v1(12.799,54.486) 15.85,57.537 27.836,57.537 28.7,56.673 28.7,31.782 v1(24.89,27.971) ; R18.1 14.145,46.697 v1(14.145,46.132)
PA3: U3.13
PA11: R6.2 U3.32 | length 42.4
  Top Layer w0.3: R6.2 14.25,10.318 15.164,11.233 16.406,11.233 16.711,11.537 16.711,11.741 17.193,12.223 v1(19.556,12.223) ; U3.32 22.124,39.15 22.35,39.376 22.35,40.036 v1(23.391,41.078) ; v1(23.289,26.396) v1(23.289,27.946)
  Bottom Layer w0.3: v1(19.556,12.223) 19.886,12.223 23.823,16.16 23.823,25.863 v1(23.289,26.396) ; v1(23.289,27.946) 24.94,29.597 24.94,39.528 v1(23.391,41.078)
PA15: D2.1 R16.1 U3.38 | length 65.7
  Top Layer w0.3: v1(4.468,41.179) 4.468,42.017 4.981,42.53 v1(12.185,42.53) ; v1(11.504,17.151) 13.129,18.776 16.101,18.776 17.701,17.176 22.07,17.176 22.299,16.948 22.299,15.601 21.842,15.144 20.5,15.144 D2.1 19.784,14.4 R16.1 ; U3.38 19.25,41.256 v1(19.505,41.001)
  Bottom Layer w0.3: v1(4.468,41.179) 4.595,41.052 3.401,39.858 3.401,22.51 4.951,20.961 5.332,20.961 9.142,17.151 v1(11.504,17.151) ; v1(12.185,42.53) 18.249,42.53 19.505,41.275 v1(19.505,41.001)
RES: U2.9 U3.2 | length 21.7
  Top Layer w0.3: v1(9.365,39.574) 9.365,39.73 10.285,40.65 U3.2 ; U2.9 13.05,25.79 v1(13.383,25.457)
  Bottom Layer w0.3: v1(9.365,39.574) 9.365,32.712 10.353,31.723 11.328,31.723 13.207,29.844 13.207,25.633 v1(13.383,25.457)
RW: R26.1 U3.28 | length 33.4
  Top Layer w0.3: v1(12.215,23.933) 12.648,23.5 R26.1 ; v1(15.517,39.477) 15.517,39.388 16.905,38 18.3,38 19.15,37.15 U3.28
  Bottom Layer w0.3: v1(12.215,23.933) 10.107,26.041 10.107,31.263 8.615,32.755 8.615,39.89 9.065,40.341 10.666,40.341 11.224,39.782 15.238,39.782 15.517,39.503 v1(15.517,39.477)
SCK: U3.15 U5.6 | length 89.2
  Top Layer w0.3: v1(10.335,53.686) 12.53,51.492 U5.6 ; U3.15 15.25,35.527 v1(15.542,35.82)
  Bottom Layer w0.3: v1(10.335,53.686) 10.335,54.852 9.639,55.548 9.639,56 8.3,57.339 8.3,61.4 9.4,62.5 19.1,62.5 23.1,58.5 28,58.5 29.2,57.3 29.2,28.065 28.303,27.168 22.924,27.168 22.527,26.771 21.181,26.771 20.419,27.533 20.419,30.039 20.109,30.349 20.109,30.991 18.921,32.179 18.921,33.991 17.168,35.744 15.619,35.744 v1(15.542,35.82)
SCL: R13.2 R14.1 U3.22 | length 35.6
  Top Layer w0.3: U3.22 18.75,33.298 19.225,32.823 21.435,32.823 21.435,33.483 21.994,34.042 22.65,34.042 R13.2 22.65,35.79 v1(22.654,35.794)
  Bottom Layer w0.3: R14.1 12.4,48.113 11.994,48.52 9.243,48.52 8.354,47.631 8.354,43.846 8.56,43.64 10.691,43.64 10.894,43.437 10.894,41.763 10.94,41.718 17.696,41.718 21.562,37.852 21.562,36.887 v1(22.654,35.794)
SDA: R12.2 R15.1 U3.21 | length 29.1
  Top Layer w0.3: U3.21 18.25,33.077 18.492,32.835 20.304,32.835 20.406,32.733 22.565,32.733 ; v1(22.223,32.391) 22.565,32.733 ; R12.2 22.65,32.818 22.565,32.733
  Bottom Layer w0.3: R15.1 12.4,46.64 13.84,45.2 18.509,45.2 21.91,41.799 21.91,39.239 23.924,37.225 23.924,34.093 v1(22.223,32.391)
SWCLK: U3.37
SWDIO: U3.34
UART_RX: U3.31
UART_TX: U3.30
VCC1.85: C13.1 C14.2 C15.2 R29.2 R34.1 U3.10 | length 11.9
  Top Layer w0.3: C15.2 7.261,35.95 7.211,36 R34.1 6.067,36 6.017,36.05 C14.2 5.4,36.734 C13.1 R29.2 6.7,37.141 7.191,36.65 U3.10
VCC3.5: R1.1 R16.2 R19.1 R27.1 R28.1 R39.2 R40.2 U3.1 U3.24 U3.48 U5.8 U6.3 | length 134.4
  Top Layer w0.3: v1(4.163,39.503) 5.143,40.483 ; R28.1 R28.1@5.318,40.5 ; R27.1 7.922,40.5 7.922,41.681 7.623,41.98 5.611,41.98 5.318,41.687 R28.1@5.318,40.5 ; U3.1 13.992,41.15 14.25,41.408 U3.48 14.25,43.223 13.942,43.531 ; v1(13.383,17.735) 14.864,16.255 14.864,15.228 ; v1(13.526,43.947) v1@13.535,43.947 ; U6.3 14.864,15.228 ; v1(17.422,47.275) 16.863,47.275 15.85,46.262 ; R16.2 19.765,13.544 22.223,13.544 23.061,14.382 v1(23.061,16.516) ; U3.24 19.75,33.889 v1(20.597,33.889) ; v1(21.13,16.414) 16.05,16.414 14.864,15.228 ; v1(21.359,29.241) 22.527,28.073 22.527,26.117 v1(22.096,25.685) ; 5.143,40.483 3.693,40.341 3.467,46.567 5.56,48.66 5.56,52.419 10.056,56.915 12.266,56.915 13.561,58.211 13.561,61.179 ; 5.143,40.483 5.16,40.5 R28.1@5.318,40.5 ; v1@13.535,43.947 13.531,43.943 13.942,43.531 ; v1@13.535,43.947 13.942,44.354 ; 13.561,61.179 13.57,61.179 13.57,53.678 17.61,49.637 U5.8 17.61,48.723 16.841,48.723 15.85,47.732 R39.2 15.85,46.262 ; 13.561,61.179 13.561,61.188 ; 13.561,61.188 13.45,61.299 R40.2 13.561,61.7 13.561,61.188 ; 13.942,43.531 13.942,44.354 ; 13.942,44.354 15.85,46.262
  Bottom Layer w0.3: v1(4.163,39.503) 4.163,32.111 8.887,27.387 8.887,24.006 11.097,21.795 11.097,20.377 13.383,18.091 v1(13.383,17.735) ; R1.1 12.4,45.294 12.972,45.294 13.526,44.739 v1(13.526,43.947) ; R19.1 15.6,46.488 15.888,46.2 17.016,46.2 17.016,46.691 17.422,47.097 v1(17.422,47.275) ; v1(20.597,33.889) 20.619,33.867 20.619,31.188 20.609,31.178 20.609,30.556 20.919,30.246 20.919,29.681 v1(21.359,29.241) ; v1(21.13,16.414) 22.959,16.414 v1(23.061,16.516) 22.096,17.481 v1(22.096,25.685)
VCC3.8: C16.2 D4.2 LS1.1 R23.1 R41.1 U2.2 U4.4 U6.2 | length 97.8
  Top Layer w0.3: v1(7.872,16.795) 8.567,16.1 ; U4.4 7.5,14.95 R41.1 8.151,16.1 8.567,16.1 ; U2.2 9.6,30.358 9.6,31.095 ; R23.1 9.6,31.095 ; v1(10.894,30.208) 10.488,30.208 9.6,31.095 ; U6.2 14.806,13.239 13.891,13.239 11.631,15.5 9.065,15.5 8.85,15.715 C16.2 8.567,16.1 ; v1(17.93,19.919) 21.418,19.919 22.383,20.885 25.855,20.885 26.668,21.697 26.668,48.132 LS1.1
  Bottom Layer w0.3: v1(7.872,16.795) 8.659,16.008 13.383,16.008 ; v1(10.894,30.208) 10.894,26.365 14.196,23.063 14.196,16.821 13.383,16.008 ; v1(17.93,19.919) 14.018,16.008 13.383,16.008 ; LS1.1 24.1,47.684 25.321,46.462 27.557,46.462 27.76,46.666 27.76,50.197 27.1,50.857 D4.2
VDD: R12.1 R13.1 | length 1.1
  Top Layer w0.3: R12.1 R13.1
VDDA: C12.2 C13.2 R28.2 R29.1 U3.9 | length 11.6
  Top Layer w0.3: R28.2 5.4,38.995 C13.2 6.017,38.35 6.067,38.3 R29.1 7.363,38.3 ; C12.2 7.413,38.35 7.363,38.3 ; v1(10.945,38.588) 10.43,38.074 8.115,38.074 7.888,38.3 7.363,38.3 ; v1(11.301,36.76) 11.691,37.15 U3.9
  Bottom Layer w0.3: v1(10.945,38.588) 10.945,37.115 v1(11.301,36.76)
pads on no net: J1.6 J1.7 U2.21 U2.22 U2.23 U2.24 U3.4 U3.5 U3.6 U3.11 U3.17 U3.25 U3.45 U3.46

## Keep-outs
Keep-Out Layer:
  circle w0.254: c5.7,23.5 r1.6
  circle w0.254: c4.1,61.5 r1.6
  circle w0.254: c25.5,61.5 r1.6

## Other copper
Bottom Layer:
  rectangle: 23.9,43.88 24,44.4

## Silkscreen, mask and mechanical layers (free items; w line width, h text height)
Top Overlay:
  text "2020.3.10" at 3.6,21.1 h1.2 r90
  text "JD-PD300-V0.1" at 1.5,18.7 h1.2 r90
Bottom Overlay:
  text "BAT+" at 9.5,0.3 h1.2 r270
  text "BAT-" at 19.4,0.3 h1.2 r270
Mechanical 1:
  circle w0.254: c4.1,61.5 r0.9
  circle w0.254: c25.5,61.5 r0.9
  circle w0.254: c5.7,23.5 r0.9
  lines w0.2: 21.1,0 8.5,0 8.5,5.8 4.8,5.8 4.8,13.8 -0.2,18.8 -0.2,34.2 -0.2,62 2,64.2 27.6,64.2 29.8,62 29.8,34.2 29.8,18.6 24.9,13.7 24.9,5.8 21.2,5.8 21.2,0